# KiCad board ddr5-testboard.kicad_pcb (continued)
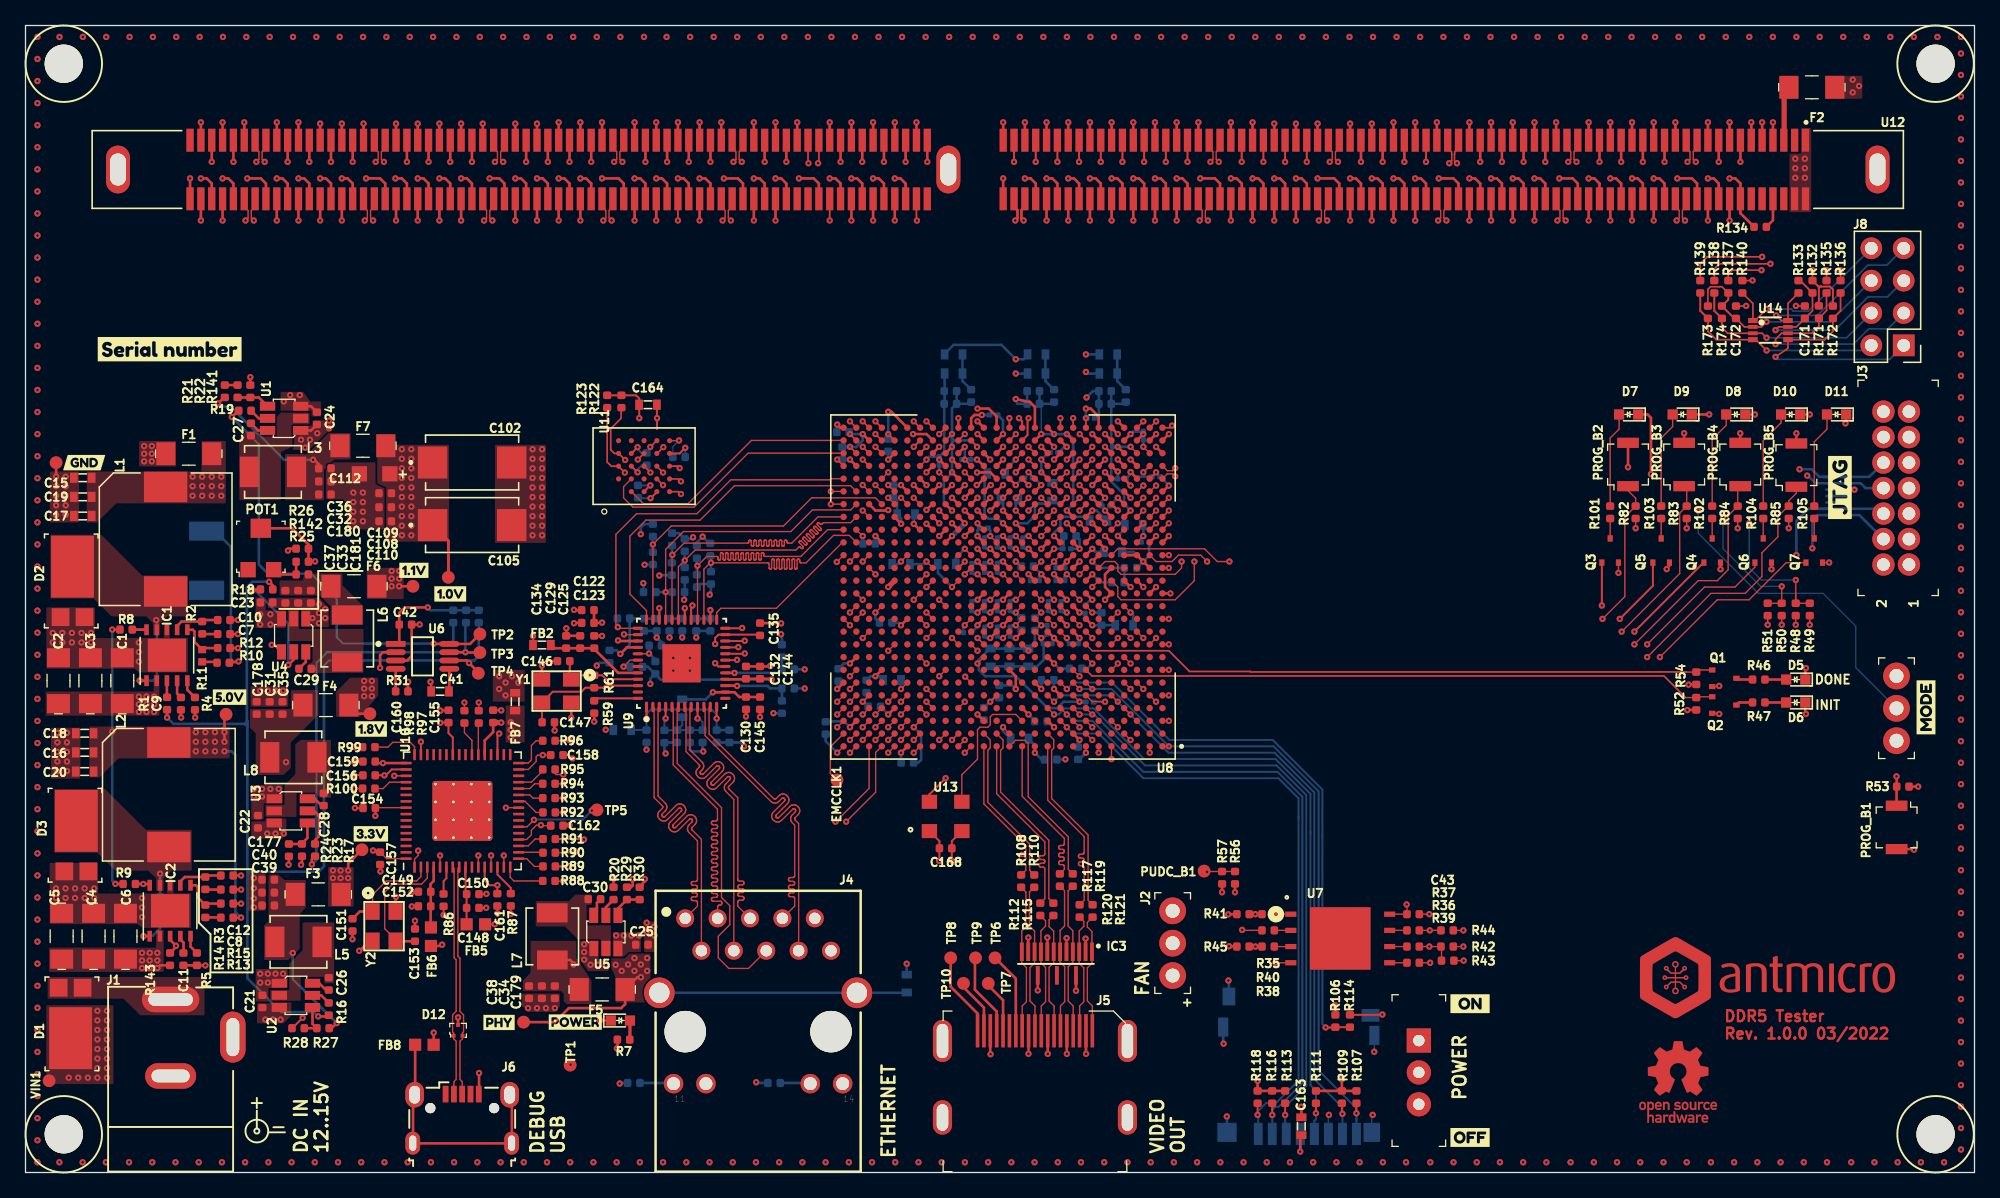
[diagram p0: board, top side]
## Routing (per net, layer and track width the routed paths; a pad name or vN(x,y) marks a point on that pad's centre or on a via; arc(x,y) is an arc through that point) (continued)
DQ21_B: length 73.2
  Top w0.2: U12.131 v3(23.95,79.3) ; U8.AA19 v3(71.64,53.94)
  In5.Cu w0.127: v3(71.64,53.94) 71.14,54.44 69.76,54.44 68.54,55.67 68.54,60.04 67.14,61.44 24.64,61.44 23.95,62.13 v3(23.95,79.3)
DQ22_A: length 66.6
  Top w0.2: U12.181 v1(108.95,74.7) ; v1(86.64,55.94) U8.AC3
  In7.Cu w0.127: v1(108.95,74.7) 108.95,71.35 108.95,71.32 108.94,71.29 108.92,71.27 108.9,71.25 108.88,71.24 108.85,71.23 108.82,71.22 108.68,71.22 108.65,71.22 108.63,71.21 108.6,71.2 108.58,71.18 108.57,71.15 108.56,71.12 108.55,71.1 108.56,71.07 108.57,71.04 108.58,71.02 108.6,71 108.63,70.98 108.65,70.97 108.68,70.97 109.22,70.97 109.25,70.97 109.27,70.96 109.3,70.94 109.32,70.92 109.33,70.9 109.34,70.87 109.35,70.84 109.34,70.81 109.33,70.79 109.32,70.76 109.3,70.74 109.27,70.73 109.25,70.72 109.22,70.72 108.68,70.72 108.65,70.71 108.63,70.7 108.6,70.69 108.58,70.67 108.57,70.64 108.56,70.62 108.55,70.59 108.56,70.56 108.57,70.53 108.58,70.51 108.6,70.49 108.63,70.47 108.65,70.46 108.68,70.46 109.22,70.46 109.25,70.46 109.27,70.45 109.3,70.43 109.32,70.41 109.33,70.39 109.34,70.36 109.35,70.33 109.34,70.31 109.33,70.28 109.32,70.25 109.3,70.23 109.27,70.22 109.25,70.21 109.22,70.21 108.68,70.21 108.65,70.2 108.63,70.19 108.6,70.18 108.58,70.16 108.57,70.14 108.56,70.11 108.55,70.08 108.56,70.05 108.57,70.02 108.58,70 108.6,69.98 108.63,69.97 108.65,69.96 108.68,69.95 109.22,69.95 109.25,69.95 109.27,69.94 109.3,69.93 109.32,69.91 109.33,69.88 109.34,69.85 109.35,69.83 109.34,69.8 109.33,69.77 109.32,69.75 109.3,69.73 109.27,69.71 109.25,69.7 109.22,69.7 108.68,69.7 108.65,69.7 108.63,69.69 108.6,69.67 108.58,69.65 108.57,69.63 108.56,69.6 108.55,69.57 108.56,69.54 108.57,69.52 108.58,69.49 108.6,69.47 108.63,69.46 108.65,69.45 108.68,69.44 109.22,69.44 109.25,69.44 109.27,69.43 109.3,69.42 109.32,69.4 109.33,69.37 109.34,69.35 109.35,69.32 109.34,69.29 109.33,69.26 109.32,69.24 109.3,69.22 109.27,69.2 109.25,69.19 109.22,69.19 108.68,69.19 108.65,69.19 108.63,69.18 108.6,69.16 108.58,69.14 108.57,69.12 108.56,69.09 108.55,69.06 108.56,69.04 108.57,69.01 108.58,68.98 108.6,68.96 108.63,68.95 108.65,68.94 108.68,68.94 109.22,68.94 109.25,68.93 109.27,68.92 109.3,68.91 109.32,68.89 109.33,68.87 109.34,68.84 109.35,68.81 109.34,68.78 109.33,68.75 109.32,68.73 109.3,68.71 109.27,68.7 109.25,68.69 109.22,68.68 108.68,68.68 108.65,68.68 108.63,68.67 108.6,68.66 108.58,68.64 108.57,68.61 108.56,68.58 108.55,68.56 108.56,68.53 108.57,68.5 108.58,68.48 108.6,68.46 108.63,68.44 108.65,68.43 108.68,68.43 109.22,68.43 109.25,68.43 109.27,68.42 109.3,68.4 109.32,68.38 109.33,68.36 109.34,68.33 109.35,68.3 109.34,68.27 109.33,68.25 109.32,68.22 109.3,68.2 109.27,68.19 109.25,68.18 109.22,68.17 108.68,68.17 108.65,68.17 108.63,68.16 108.6,68.15 108.58,68.13 108.57,68.1 108.56,68.08 108.55,68.05 108.56,68.02 108.57,67.99 108.58,67.97 108.6,67.95 108.63,67.93 108.65,67.92 108.68,67.92 109.22,67.92 109.25,67.92 109.27,67.91 109.3,67.89 109.32,67.87 109.33,67.85 109.34,67.82 109.35,67.79 109.34,67.77 109.33,67.74 109.32,67.71 109.3,67.69 109.27,67.68 109.25,67.67 109.22,67.67 108.68,67.67 108.65,67.66 108.63,67.65 108.6,67.64 108.58,67.62 108.57,67.6 108.56,67.57 108.55,67.54 108.56,67.51 108.57,67.48 108.58,67.46 108.6,67.44 108.63,67.43 108.65,67.42 108.68,67.41 109.22,67.41 109.25,67.41 109.27,67.4 109.3,67.39 109.32,67.37 109.33,67.34 109.34,67.31 109.35,67.29 109.34,67.26 109.33,67.23 109.32,67.21 109.3,67.19 109.27,67.17 109.25,67.16 109.22,67.16 108.68,67.16 108.65,67.16 108.63,67.15 108.6,67.13 108.58,67.11 108.57,67.09 108.56,67.06 108.55,67.03 108.56,67 108.57,66.98 108.58,66.95 108.6,66.93 108.63,66.92 108.65,66.91 108.68,66.91 109.22,66.91 109.25,66.9 109.27,66.89 109.3,66.88 109.32,66.86 109.33,66.83 109.34,66.81 109.35,66.78 109.34,66.75 109.33,66.72 109.32,66.7 109.3,66.68 109.27,66.66 109.25,66.65 109.22,66.65 108.68,66.65 108.65,66.65 108.63,66.64 108.6,66.62 108.58,66.6 108.57,66.58 108.56,66.55 108.55,66.52 108.56,66.5 108.57,66.47 108.58,66.44 108.6,66.42 108.63,66.41 108.65,66.4 108.68,66.4 109.22,66.4 109.25,66.39 109.27,66.38 109.3,66.37 109.32,66.35 109.33,66.33 109.34,66.3 109.35,66.27 109.34,66.24 109.33,66.21 109.32,66.19 109.3,66.17 109.27,66.16 109.25,66.15 109.22,66.14 108.68,66.14 108.65,66.14 108.63,66.13 108.6,66.12 108.58,66.1 108.57,66.07 108.56,66.04 108.55,66.02 108.56,65.99 108.57,65.96 108.58,65.94 108.6,65.92 108.63,65.9 108.65,65.89 108.68,65.89 109.22,65.89 109.25,65.89 109.27,65.88 109.3,65.86 109.32,65.84 109.33,65.82 109.34,65.79 109.35,65.76 109.34,65.73 109.33,65.71 109.32,65.68 109.3,65.66 109.27,65.65 109.25,65.64 109.22,65.64 108.68,65.64 108.65,65.63 108.63,65.62 108.6,65.61 108.58,65.59 108.57,65.56 108.56,65.54 108.55,65.51 108.56,65.48 108.57,65.45 108.58,65.43 108.6,65.41 108.63,65.39 108.65,65.38 108.68,65.38 109.22,65.38 109.25,65.38 109.27,65.37 109.3,65.35 109.32,65.33 109.33,65.31 109.34,65.28 109.35,65.25 109.34,65.23 109.33,65.2 109.32,65.17 109.3,65.15 109.27,65.14 109.25,65.13 109.22,65.13 108.68,65.13 108.65,65.12 108.63,65.11 108.6,65.1 108.58,65.08 108.57,65.06 108.56,65.03 108.55,65 108.56,64.97 108.57,64.94 108.58,64.92 108.6,64.9 108.63,64.89 108.65,64.88 108.68,64.87 109.22,64.87 109.25,64.87 109.27,64.86 109.3,64.85 109.32,64.83 109.33,64.8 109.34,64.77 109.35,64.75 109.34,64.72 109.33,64.69 109.32,64.67 109.3,64.65 109.27,64.63 109.25,64.62 109.22,64.62 108.68,64.62 108.65,64.62 108.63,64.61 108.6,64.59 108.58,64.57 108.57,64.55 108.56,64.52 108.55,64.49 108.56,64.46 108.57,64.44 108.58,64.41 108.6,64.39 108.63,64.38 108.65,64.37 108.68,64.36 109.22,64.36 109.25,64.36 109.27,64.35 109.3,64.34 109.32,64.32 109.33,64.29 109.34,64.27 109.35,64.24 109.34,64.21 109.33,64.18 109.32,64.16 109.3,64.14 109.27,64.12 109.25,64.11 109.22,64.11 108.68,64.11 108.65,64.11 108.63,64.1 108.6,64.08 108.58,64.06 108.57,64.04 108.56,64.01 108.55,63.98 108.56,63.96 108.57,63.93 108.58,63.9 108.6,63.88 108.63,63.87 108.65,63.86 108.68,63.86 109.22,63.86 109.25,63.85 109.27,63.84 109.3,63.83 109.32,63.81 109.33,63.79 109.34,63.76 109.35,63.73 109.34,63.7 109.33,63.67 109.32,63.65 109.3,63.63 109.27,63.62 109.25,63.61 109.22,63.6 108.68,63.6 108.65,63.6 108.63,63.59 108.6,63.58 108.58,63.56 108.57,63.53 108.56,63.5 108.55,63.48 108.56,63.45 108.57,63.42 108.58,63.4 108.6,63.38 108.63,63.36 108.65,63.35 108.68,63.35 109.22,63.35 109.25,63.35 109.27,63.34 109.3,63.32 109.32,63.3 109.33,63.28 109.34,63.25 109.35,63.22 109.34,63.19 109.33,63.17 109.32,63.14 109.3,63.12 109.27,63.11 109.25,63.1 109.22,63.09 108.68,63.09 108.65,63.09 108.63,63.08 108.6,63.07 108.58,63.05 108.57,63.02 108.56,63 108.55,62.97 108.56,62.94 108.57,62.91 108.58,62.89 108.6,62.87 108.63,62.85 108.65,62.84 108.68,62.84 109.22,62.84 109.25,62.84 109.27,62.83 109.3,62.81 109.32,62.79 109.33,62.77 109.34,62.74 109.35,62.71 109.34,62.69 109.33,62.66 109.32,62.63 109.3,62.61 109.27,62.6 109.25,62.59 109.22,62.59 108.68,62.59 108.65,62.58 108.63,62.57 108.6,62.56 108.58,62.54 108.57,62.52 108.56,62.49 108.55,62.46 108.56,62.43 108.57,62.4 108.58,62.38 108.6,62.36 108.63,62.35 108.65,62.34 108.68,62.33 108.82,62.33 108.85,62.33 108.88,62.32 108.9,62.31 108.92,62.29 108.94,62.26 108.95,62.23 108.95,62.21 108.95,57 107.89,55.94 v1(86.64,55.94)
DQ22_B: length 73.2
  Top w0.2: U12.274 v3(24.8,74.7) ; U8.AC19 v3(70.64,54.94)
  In5.Cu w0.127: v3(24.8,74.7) 24.8,74.1 24.8,74.07 24.79,74.04 24.77,74.02 24.75,74 24.73,73.99 24.7,73.98 24.67,73.97 24.54,73.97 24.51,73.97 24.48,73.96 24.46,73.95 24.44,73.93 24.42,73.9 24.41,73.87 24.41,73.85 24.41,73.82 24.42,73.79 24.44,73.77 24.46,73.75 24.48,73.73 24.51,73.72 24.54,73.72 25.06,73.72 25.09,73.72 25.12,73.71 25.14,73.69 25.16,73.67 25.18,73.65 25.19,73.62 25.19,73.59 25.19,73.56 25.18,73.54 25.16,73.51 25.14,73.49 25.12,73.48 25.09,73.47 25.06,73.47 24.54,73.47 24.51,73.46 24.48,73.45 24.46,73.44 24.44,73.42 24.42,73.39 24.41,73.37 24.41,73.34 24.41,73.31 24.42,73.28 24.44,73.26 24.46,73.24 24.48,73.22 24.51,73.21 24.54,73.21 25.06,73.21 25.09,73.21 25.12,73.2 25.14,73.18 25.16,73.16 25.18,73.14 25.19,73.11 25.19,73.08 25.19,73.06 25.18,73.03 25.16,73 25.14,72.98 25.12,72.97 25.09,72.96 25.06,72.96 24.54,72.96 24.51,72.95 24.48,72.94 24.46,72.93 24.44,72.91 24.42,72.89 24.41,72.86 24.41,72.83 24.41,72.8 24.42,72.77 24.44,72.75 24.46,72.73 24.48,72.72 24.51,72.71 24.54,72.7 25.06,72.7 25.09,72.7 25.12,72.69 25.14,72.68 25.16,72.66 25.18,72.63 25.19,72.6 25.19,72.58 25.19,72.55 25.18,72.52 25.16,72.5 25.14,72.48 25.12,72.46 25.09,72.45 25.06,72.45 24.54,72.45 24.51,72.45 24.48,72.44 24.46,72.42 24.44,72.4 24.42,72.38 24.41,72.35 24.41,72.32 24.41,72.29 24.42,72.27 24.44,72.24 24.46,72.22 24.48,72.21 24.51,72.2 24.54,72.19 25.06,72.19 25.09,72.19 25.12,72.18 25.14,72.17 25.16,72.15 25.18,72.12 25.19,72.1 25.19,72.07 25.19,72.04 25.18,72.01 25.16,71.99 25.14,71.97 25.12,71.95 25.09,71.94 25.06,71.94 24.54,71.94 24.51,71.94 24.48,71.93 24.46,71.91 24.44,71.89 24.42,71.87 24.41,71.84 24.41,71.81 24.41,71.79 24.42,71.76 24.44,71.73 24.46,71.71 24.48,71.7 24.51,71.69 24.54,71.69 25.06,71.69 25.09,71.68 25.12,71.67 25.14,71.66 25.16,71.64 25.18,71.62 25.19,71.59 25.19,71.56 25.19,71.53 25.18,71.5 25.16,71.48 25.14,71.46 25.12,71.45 25.09,71.44 25.06,71.43 24.54,71.43 24.51,71.43 24.48,71.42 24.46,71.41 24.44,71.39 24.42,71.36 24.41,71.33 24.41,71.31 24.41,71.28 24.42,71.25 24.44,71.23 24.46,71.21 24.48,71.19 24.51,71.18 24.54,71.18 24.67,71.18 24.7,71.18 24.73,71.17 24.75,71.15 24.77,71.13 24.79,71.11 24.8,71.08 24.8,71.05 24.8,62.53 25.39,61.94 67.14,61.94 68.84,60.24 68.84,56.12 70.01,54.94 v3(70.64,54.94)
DQ23_A: length 66.6
  Top w0.2: U12.183 v1(107.25,74.7) ; v1(84.64,55.94) U8.AC6
  In7.Cu w0.127: v1(107.25,74.7) 107.25,70.85 107.25,70.82 107.24,70.79 107.22,70.77 107.2,70.75 107.18,70.74 107.15,70.73 107.12,70.72 106.99,70.72 106.96,70.72 106.93,70.71 106.91,70.7 106.89,70.68 106.87,70.65 106.86,70.62 106.86,70.6 106.86,70.57 106.87,70.54 106.89,70.52 106.91,70.5 106.93,70.48 106.96,70.47 106.99,70.47 107.51,70.47 107.54,70.47 107.57,70.46 107.59,70.44 107.61,70.42 107.63,70.4 107.64,70.37 107.64,70.34 107.64,70.31 107.63,70.29 107.61,70.26 107.59,70.24 107.57,70.23 107.54,70.22 107.51,70.22 106.99,70.22 106.96,70.21 106.93,70.2 106.91,70.19 106.89,70.17 106.87,70.14 106.86,70.12 106.86,70.09 106.86,70.06 106.87,70.03 106.89,70.01 106.91,69.99 106.93,69.97 106.96,69.96 106.99,69.96 107.51,69.96 107.54,69.96 107.57,69.95 107.59,69.93 107.61,69.91 107.63,69.89 107.64,69.86 107.64,69.83 107.64,69.81 107.63,69.78 107.61,69.75 107.59,69.73 107.57,69.72 107.54,69.71 107.51,69.71 106.99,69.71 106.96,69.7 106.93,69.69 106.91,69.68 106.89,69.66 106.87,69.64 106.86,69.61 106.86,69.58 106.86,69.55 106.87,69.52 106.89,69.5 106.91,69.48 106.93,69.47 106.96,69.46 106.99,69.45 107.51,69.45 107.54,69.45 107.57,69.44 107.59,69.43 107.61,69.41 107.63,69.38 107.64,69.35 107.64,69.33 107.64,69.3 107.63,69.27 107.61,69.25 107.59,69.23 107.57,69.21 107.54,69.2 107.51,69.2 106.99,69.2 106.96,69.2 106.93,69.19 106.91,69.17 106.89,69.15 106.87,69.13 106.86,69.1 106.86,69.07 106.86,69.04 106.87,69.02 106.89,68.99 106.91,68.97 106.93,68.96 106.96,68.95 106.99,68.94 107.51,68.94 107.54,68.94 107.57,68.93 107.59,68.92 107.61,68.9 107.63,68.87 107.64,68.85 107.64,68.82 107.64,68.79 107.63,68.76 107.61,68.74 107.59,68.72 107.57,68.7 107.54,68.69 107.51,68.69 106.99,68.69 106.96,68.69 106.93,68.68 106.91,68.66 106.89,68.64 106.87,68.62 106.86,68.59 106.86,68.56 106.86,68.54 106.87,68.51 106.89,68.48 106.91,68.46 106.93,68.45 106.96,68.44 106.99,68.44 107.51,68.44 107.54,68.43 107.57,68.42 107.59,68.41 107.61,68.39 107.63,68.37 107.64,68.34 107.64,68.31 107.64,68.28 107.63,68.25 107.61,68.23 107.59,68.21 107.57,68.2 107.54,68.19 107.51,68.18 106.99,68.18 106.96,68.18 106.93,68.17 106.91,68.16 106.89,68.14 106.87,68.11 106.86,68.08 106.86,68.06 106.86,68.03 106.87,68 106.89,67.98 106.91,67.96 106.93,67.94 106.96,67.93 106.99,67.93 107.51,67.93 107.54,67.93 107.57,67.92 107.59,67.9 107.61,67.88 107.63,67.86 107.64,67.83 107.64,67.8 107.64,67.77 107.63,67.75 107.61,67.72 107.59,67.7 107.57,67.69 107.54,67.68 107.51,67.67 106.99,67.67 106.96,67.67 106.93,67.66 106.91,67.65 106.89,67.63 106.87,67.6 106.86,67.58 106.86,67.55 106.86,67.52 106.87,67.49 106.89,67.47 106.91,67.45 106.93,67.43 106.96,67.42 106.99,67.42 107.51,67.42 107.54,67.42 107.57,67.41 107.59,67.39 107.61,67.37 107.63,67.35 107.64,67.32 107.64,67.29 107.64,67.27 107.63,67.24 107.61,67.21 107.59,67.19 107.57,67.18 107.54,67.17 107.51,67.17 106.99,67.17 106.96,67.16 106.93,67.15 106.91,67.14 106.89,67.12 106.87,67.1 106.86,67.07 106.86,67.04 106.86,67.01 106.87,66.98 106.89,66.96 106.91,66.94 106.93,66.93 106.96,66.92 106.99,66.91 107.51,66.91 107.54,66.91 107.57,66.9 107.59,66.89 107.61,66.87 107.63,66.84 107.64,66.81 107.64,66.79 107.64,66.76 107.63,66.73 107.61,66.71 107.59,66.69 107.57,66.67 107.54,66.66 107.51,66.66 106.99,66.66 106.96,66.66 106.93,66.65 106.91,66.63 106.89,66.61 106.87,66.59 106.86,66.56 106.86,66.53 106.86,66.5 106.87,66.48 106.89,66.45 106.91,66.43 106.93,66.42 106.96,66.41 106.99,66.41 107.51,66.41 107.54,66.4 107.57,66.39 107.59,66.38 107.61,66.36 107.63,66.33 107.64,66.31 107.64,66.28 107.64,66.25 107.63,66.22 107.61,66.2 107.59,66.18 107.57,66.16 107.54,66.15 107.51,66.15 106.99,66.15 106.96,66.15 106.93,66.14 106.91,66.12 106.89,66.1 106.87,66.08 106.86,66.05 106.86,66.02 106.86,66 106.87,65.97 106.89,65.94 106.91,65.92 106.93,65.91 106.96,65.9 106.99,65.9 107.51,65.9 107.54,65.89 107.57,65.88 107.59,65.87 107.61,65.85 107.63,65.83 107.64,65.8 107.64,65.77 107.64,65.74 107.63,65.71 107.61,65.69 107.59,65.67 107.57,65.66 107.54,65.65 107.51,65.64 106.99,65.64 106.96,65.64 106.93,65.63 106.91,65.62 106.89,65.6 106.87,65.57 106.86,65.54 106.86,65.52 106.86,65.49 106.87,65.46 106.89,65.44 106.91,65.42 106.93,65.4 106.96,65.39 106.99,65.39 107.51,65.39 107.54,65.39 107.57,65.38 107.59,65.36 107.61,65.34 107.63,65.32 107.64,65.29 107.64,65.26 107.64,65.23 107.63,65.21 107.61,65.18 107.59,65.16 107.57,65.15 107.54,65.14 107.51,65.14 106.99,65.14 106.96,65.13 106.93,65.12 106.91,65.11 106.89,65.09 106.87,65.06 106.86,65.04 106.86,65.01 106.86,64.98 106.87,64.95 106.89,64.93 106.91,64.91 106.93,64.89 106.96,64.88 106.99,64.88 107.51,64.88 107.54,64.88 107.57,64.87 107.59,64.85 107.61,64.83 107.63,64.81 107.64,64.78 107.64,64.75 107.64,64.73 107.63,64.7 107.61,64.67 107.59,64.65 107.57,64.64 107.54,64.63 107.51,64.63 106.99,64.63 106.96,64.62 106.93,64.61 106.91,64.6 106.89,64.58 106.87,64.56 106.86,64.53 106.86,64.5 106.86,64.47 106.87,64.44 106.89,64.42 106.91,64.4 106.93,64.39 106.96,64.38 106.99,64.37 107.51,64.37 107.54,64.37 107.57,64.36 107.59,64.35 107.61,64.33 107.63,64.3 107.64,64.27 107.64,64.25 107.64,64.22 107.63,64.19 107.61,64.17 107.59,64.15 107.57,64.13 107.54,64.12 107.51,64.12 106.99,64.12 106.96,64.12 106.93,64.11 106.91,64.09 106.89,64.07 106.87,64.05 106.86,64.02 106.86,63.99 106.86,63.96 106.87,63.94 106.89,63.91 106.91,63.89 106.93,63.88 106.96,63.87 106.99,63.86 107.51,63.86 107.54,63.86 107.57,63.85 107.59,63.84 107.61,63.82 107.63,63.79 107.64,63.77 107.64,63.74 107.64,63.71 107.63,63.68 107.61,63.66 107.59,63.64 107.57,63.62 107.54,63.61 107.51,63.61 106.99,63.61 106.96,63.61 106.93,63.6 106.91,63.58 106.89,63.56 106.87,63.54 106.86,63.51 106.86,63.48 106.86,63.46 106.87,63.43 106.89,63.4 106.91,63.38 106.93,63.37 106.96,63.36 106.99,63.36 107.51,63.36 107.54,63.35 107.57,63.34 107.59,63.33 107.61,63.31 107.63,63.29 107.64,63.26 107.64,63.23 107.64,63.2 107.63,63.17 107.61,63.15 107.59,63.13 107.57,63.12 107.54,63.11 107.51,63.1 106.99,63.1 106.96,63.1 106.93,63.09 106.91,63.08 106.89,63.06 106.87,63.03 106.86,63 106.86,62.98 106.86,62.95 106.87,62.92 106.89,62.9 106.91,62.88 106.93,62.86 106.96,62.85 106.99,62.85 107.51,62.85 107.54,62.85 107.57,62.84 107.59,62.82 107.61,62.8 107.63,62.78 107.64,62.75 107.64,62.72 107.64,62.69 107.63,62.67 107.61,62.64 107.59,62.62 107.57,62.61 107.54,62.6 107.51,62.59 106.99,62.59 106.96,62.59 106.93,62.58 106.91,62.57 106.89,62.55 106.87,62.52 106.86,62.5 106.86,62.47 106.86,62.44 106.87,62.41 106.89,62.39 106.91,62.37 106.93,62.35 106.96,62.34 106.99,62.34 107.51,62.34 107.54,62.34 107.57,62.33 107.59,62.31 107.61,62.29 107.63,62.27 107.64,62.24 107.64,62.21 107.64,62.19 107.63,62.16 107.61,62.13 107.59,62.11 107.57,62.1 107.54,62.09 107.51,62.09 106.99,62.09 106.96,62.08 106.93,62.07 106.91,62.06 106.89,62.04 106.87,62.02 106.86,61.99 106.86,61.96 106.86,61.93 106.87,61.9 106.89,61.88 106.91,61.86 106.93,61.85 106.96,61.84 106.99,61.83 107.51,61.83 107.54,61.83 107.57,61.82 107.59,61.81 107.61,61.79 107.63,61.76 107.64,61.73 107.64,61.71 107.64,61.68 107.63,61.65 107.61,61.63 107.59,61.61 107.57,61.59 107.54,61.58 107.51,61.58 107.38,61.58 107.35,61.58 107.32,61.57 107.3,61.55 107.28,61.53 107.26,61.51 107.25,61.48 107.25,61.45 107.25,58.2 106.49,57.44 86.14,57.44 v1(84.64,55.94)
DQ23_B: length 73.2
  Top w0.2: U12.276 v3(23.1,74.7) ; U8.AA20 v3(69.64,53.94)
  In5.Cu w0.127: v3(23.1,74.7) 23.1,74.4 23.1,74.37 23.09,74.34 23.07,74.32 23.05,74.3 23.03,74.29 23,74.28 22.97,74.27 22.83,74.27 22.81,74.27 22.78,74.26 22.76,74.25 22.73,74.23 22.72,74.2 22.71,74.17 22.71,74.15 22.71,74.12 22.72,74.09 22.73,74.07 22.76,74.05 22.78,74.03 22.81,74.02 22.83,74.02 23.37,74.02 23.39,74.02 23.42,74.01 23.44,73.99 23.47,73.97 23.48,73.95 23.49,73.92 23.49,73.89 23.49,73.86 23.48,73.84 23.47,73.81 23.44,73.79 23.42,73.78 23.39,73.77 23.37,73.77 22.83,73.77 22.81,73.76 22.78,73.75 22.76,73.74 22.73,73.72 22.72,73.69 22.71,73.67 22.71,73.64 22.71,73.61 22.72,73.58 22.73,73.56 22.76,73.54 22.78,73.52 22.81,73.51 22.83,73.51 23.37,73.51 23.39,73.51 23.42,73.5 23.44,73.48 23.47,73.46 23.48,73.44 23.49,73.41 23.49,73.38 23.49,73.36 23.48,73.33 23.47,73.3 23.44,73.28 23.42,73.27 23.39,73.26 23.37,73.26 22.83,73.26 22.81,73.25 22.78,73.24 22.76,73.23 22.73,73.21 22.72,73.19 22.71,73.16 22.71,73.13 22.71,73.1 22.72,73.07 22.73,73.05 22.76,73.03 22.78,73.02 22.81,73.01 22.83,73 23.37,73 23.39,73 23.42,72.99 23.44,72.98 23.47,72.96 23.48,72.93 23.49,72.9 23.49,72.88 23.49,72.85 23.48,72.82 23.47,72.8 23.44,72.78 23.42,72.76 23.39,72.75 23.37,72.75 22.83,72.75 22.81,72.75 22.78,72.74 22.76,72.72 22.73,72.7 22.72,72.68 22.71,72.65 22.71,72.62 22.71,72.59 22.72,72.57 22.73,72.54 22.76,72.52 22.78,72.51 22.81,72.5 22.83,72.5 23.37,72.5 23.39,72.49 23.42,72.48 23.44,72.47 23.47,72.45 23.48,72.42 23.49,72.4 23.49,72.37 23.49,72.34 23.48,72.31 23.47,72.29 23.44,72.27 23.42,72.25 23.39,72.24 23.37,72.24 23.23,72.24 23.2,72.24 23.17,72.23 23.15,72.21 23.13,72.19 23.11,72.17 23.1,72.14 23.1,72.11 23.1,61.48 23.64,60.94 67.14,60.94 68.14,59.94 68.14,55.44 v3(69.64,53.94)
DQ24_A: length 53.5
  Top w0.2: U12.40 v4(106.4,79.3) ; U8.AE3 v4(87.64,57.94)
  In2.Cu w0.127: v4(106.4,79.3) 106.4,78.6 106.4,78.57 106.39,78.54 106.37,78.52 106.35,78.5 106.33,78.49 106.3,78.48 106.27,78.47 106.14,78.47 106.11,78.47 106.09,78.46 106.06,78.45 106.04,78.43 106.03,78.4 106.02,78.37 106.01,78.35 106.02,78.32 106.03,78.29 106.04,78.27 106.06,78.25 106.09,78.23 106.11,78.22 106.14,78.22 106.66,78.22 106.69,78.22 106.71,78.21 106.74,78.19 106.76,78.17 106.77,78.15 106.78,78.12 106.79,78.09 106.78,78.06 106.77,78.04 106.76,78.01 106.74,77.99 106.71,77.98 106.69,77.97 106.66,77.97 106.14,77.97 106.11,77.96 106.09,77.95 106.06,77.94 106.04,77.92 106.03,77.89 106.02,77.87 106.01,77.84 106.02,77.81 106.03,77.78 106.04,77.76 106.06,77.74 106.09,77.72 106.11,77.71 106.14,77.71 106.66,77.71 106.69,77.71 106.71,77.7 106.74,77.68 106.76,77.66 106.77,77.64 106.78,77.61 106.79,77.58 106.78,77.56 106.77,77.53 106.76,77.5 106.74,77.48 106.71,77.47 106.69,77.46 106.66,77.46 106.14,77.46 106.11,77.45 106.09,77.44 106.06,77.43 106.04,77.41 106.03,77.39 106.02,77.36 106.01,77.33 106.02,77.3 106.03,77.27 106.04,77.25 106.06,77.23 106.09,77.22 106.11,77.21 106.14,77.2 106.66,77.2 106.69,77.2 106.71,77.19 106.74,77.18 106.76,77.16 106.77,77.13 106.78,77.1 106.79,77.08 106.78,77.05 106.77,77.02 106.76,77 106.74,76.98 106.71,76.96 106.69,76.95 106.66,76.95 106.14,76.95 106.11,76.95 106.09,76.94 106.06,76.92 106.04,76.9 106.03,76.88 106.02,76.85 106.01,76.82 106.02,76.79 106.03,76.77 106.04,76.74 106.06,76.72 106.09,76.71 106.11,76.7 106.14,76.69 106.66,76.69 106.69,76.69 106.71,76.68 106.74,76.67 106.76,76.65 106.77,76.62 106.78,76.6 106.79,76.57 106.78,76.54 106.77,76.51 106.76,76.49 106.74,76.47 106.71,76.45 106.69,76.44 106.66,76.44 106.14,76.44 106.11,76.44 106.09,76.43 106.06,76.41 106.04,76.39 106.03,76.37 106.02,76.34 106.01,76.31 106.02,76.29 106.03,76.26 106.04,76.23 106.06,76.21 106.09,76.2 106.11,76.19 106.14,76.19 106.66,76.19 106.69,76.18 106.71,76.17 106.74,76.16 106.76,76.14 106.77,76.12 106.78,76.09 106.79,76.06 106.78,76.03 106.77,76 106.76,75.98 106.74,75.96 106.71,75.95 106.69,75.94 106.66,75.93 106.14,75.93 106.11,75.93 106.09,75.92 106.06,75.91 106.04,75.89 106.03,75.86 106.02,75.83 106.01,75.81 106.02,75.78 106.03,75.75 106.04,75.73 106.06,75.71 106.09,75.69 106.11,75.68 106.14,75.68 106.66,75.68 106.69,75.68 106.71,75.67 106.74,75.65 106.76,75.63 106.77,75.61 106.78,75.58 106.79,75.55 106.78,75.52 106.77,75.5 106.76,75.47 106.74,75.45 106.71,75.44 106.69,75.43 106.66,75.42 106.14,75.42 106.11,75.42 106.09,75.41 106.06,75.4 106.04,75.38 106.03,75.35 106.02,75.33 106.01,75.3 106.02,75.27 106.03,75.24 106.04,75.22 106.06,75.2 106.09,75.18 106.11,75.17 106.14,75.17 106.66,75.17 106.69,75.17 106.71,75.16 106.74,75.14 106.76,75.12 106.77,75.1 106.78,75.07 106.79,75.04 106.78,75.02 106.77,74.99 106.76,74.96 106.74,74.94 106.71,74.93 106.69,74.92 106.66,74.92 106.14,74.92 106.11,74.91 106.09,74.9 106.06,74.89 106.04,74.87 106.03,74.85 106.02,74.82 106.01,74.79 106.02,74.76 106.03,74.73 106.04,74.71 106.06,74.69 106.09,74.68 106.11,74.67 106.14,74.66 106.66,74.66 106.69,74.66 106.71,74.65 106.74,74.64 106.76,74.62 106.77,74.59 106.78,74.56 106.79,74.54 106.78,74.51 106.77,74.48 106.76,74.46 106.74,74.44 106.71,74.42 106.69,74.41 106.66,74.41 106.53,74.41 106.5,74.41 106.47,74.4 106.45,74.38 106.43,74.36 106.41,74.34 106.4,74.31 106.4,74.28 106.4,59.95 102.89,56.44 88.39,56.44 88.14,56.69 88.14,57.44 v4(87.64,57.94)
